# Allegro board RK_EVB7_RK3588_LP4XD200P232SD8_V11_20230111YWQ.brd (continued)
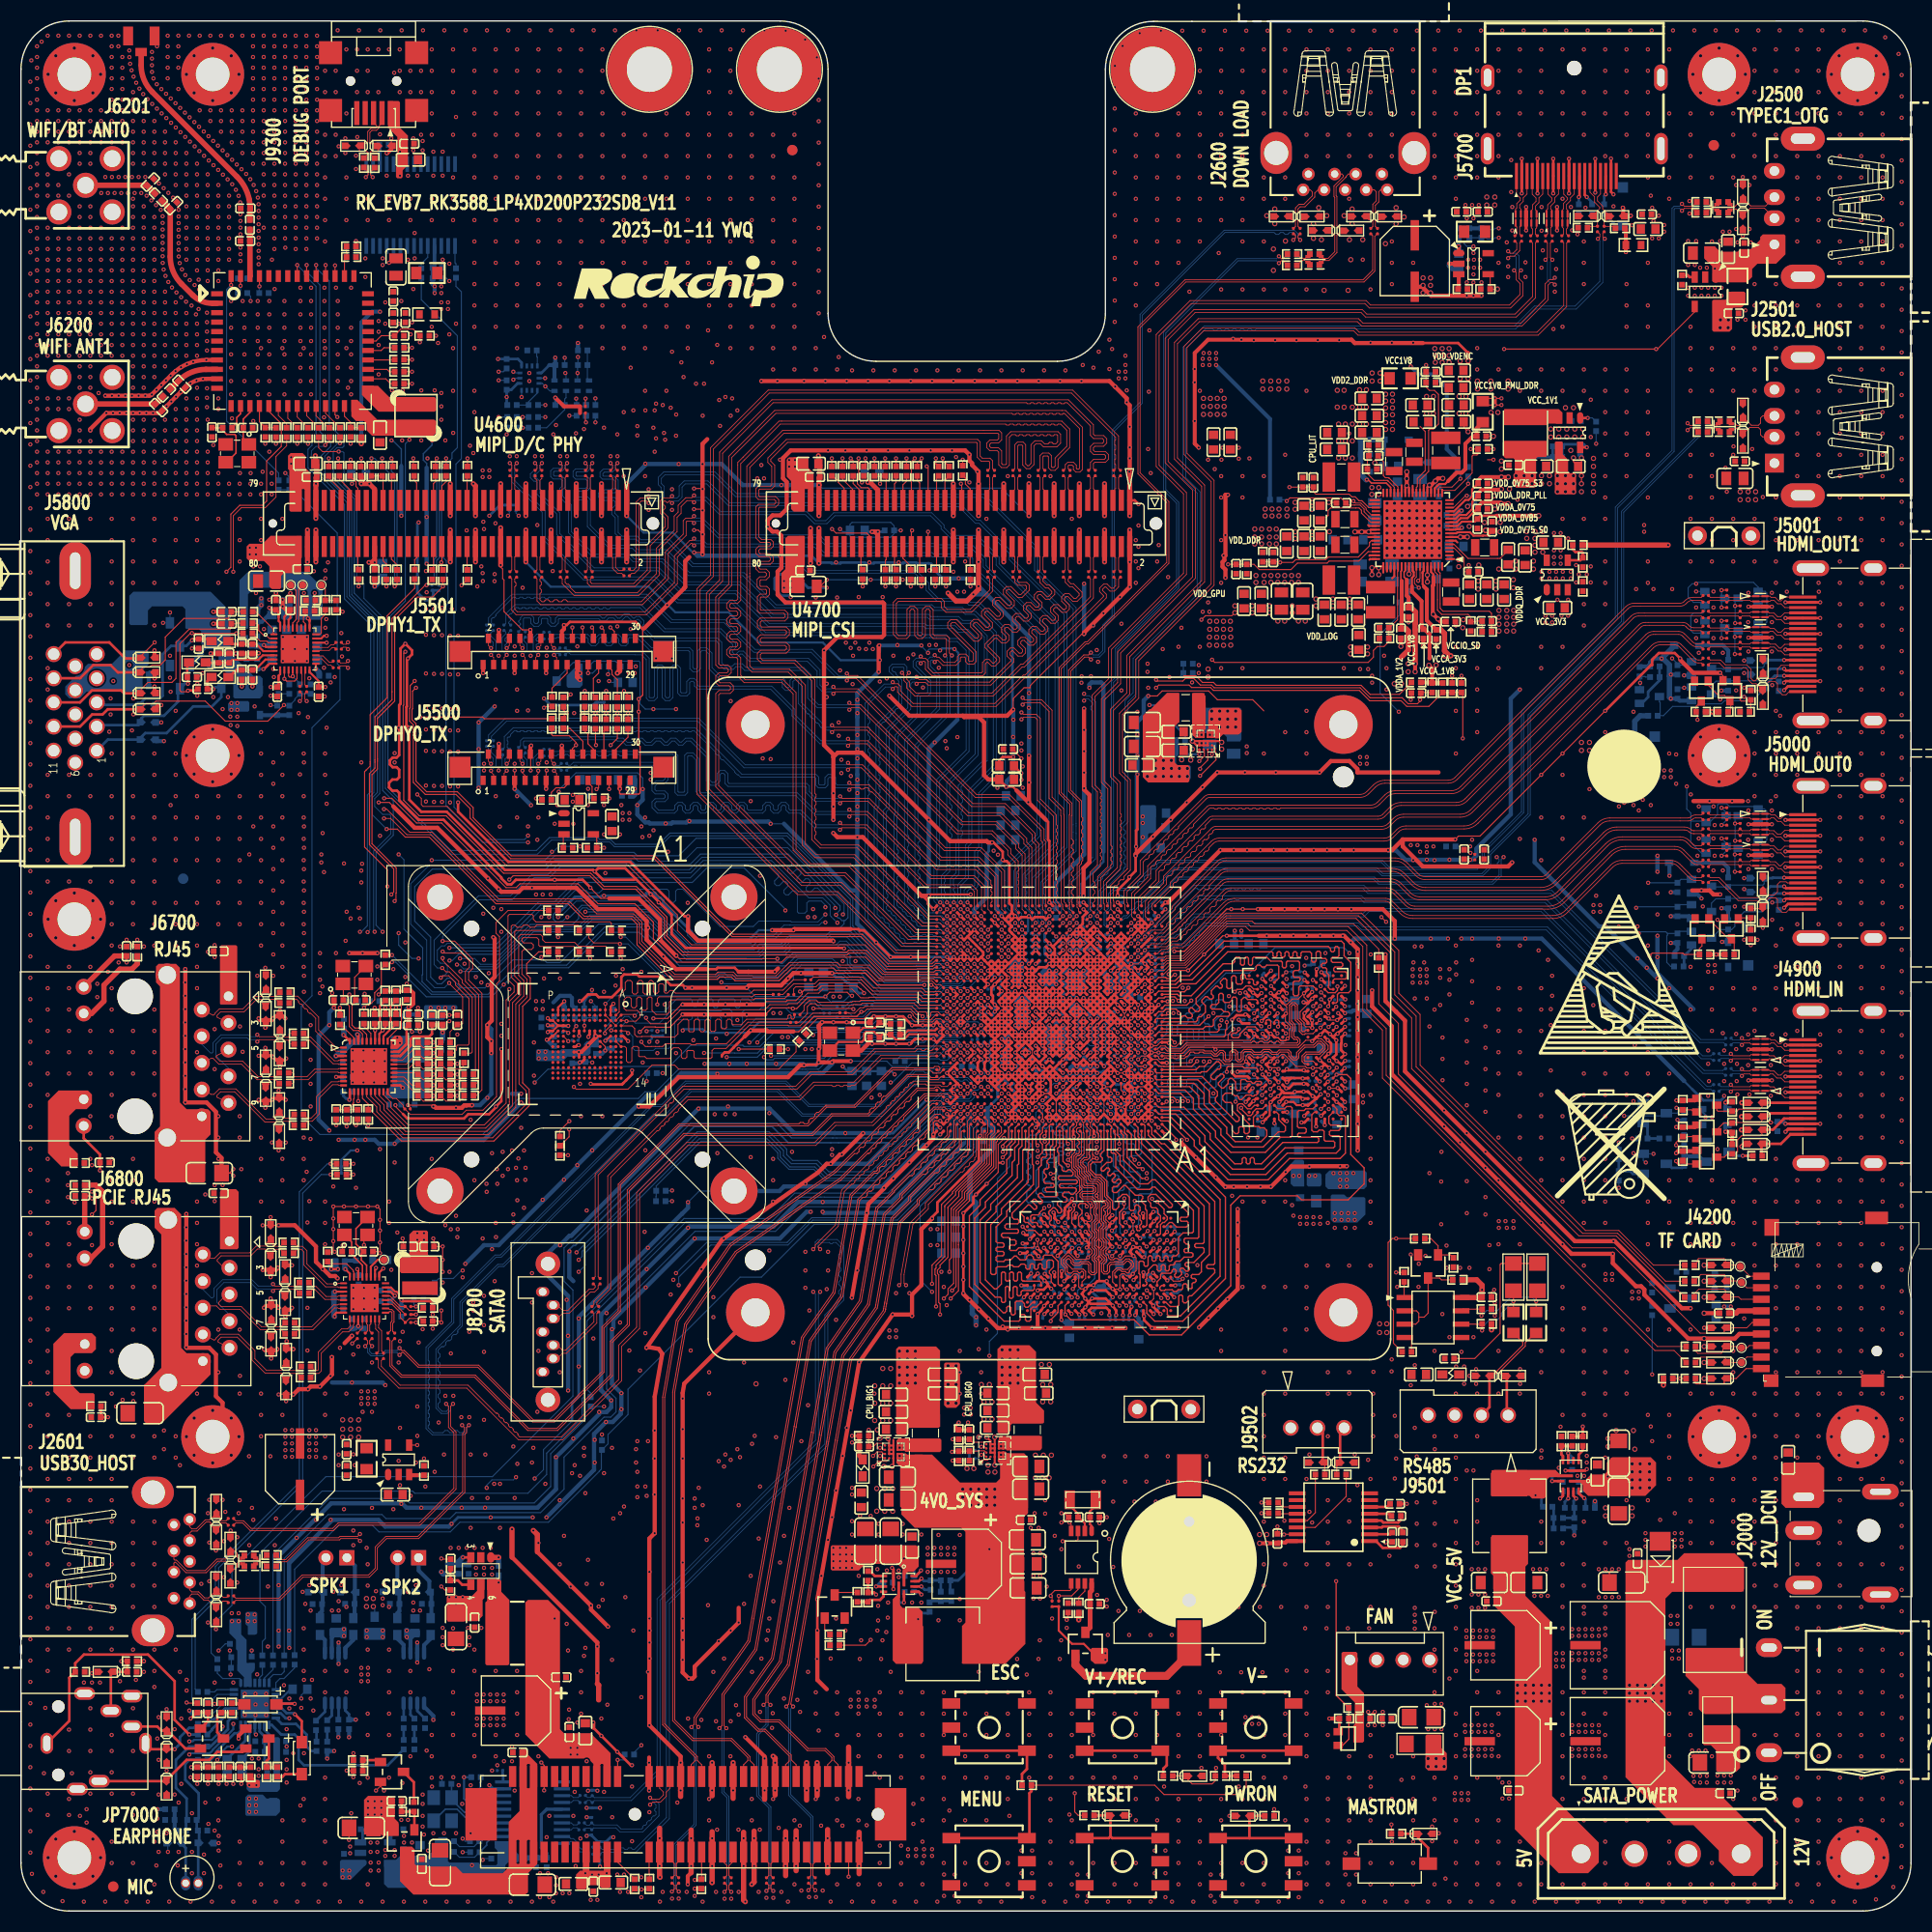
[diagram p0: board, top side]
## Routing (per net, layer and track width the routed paths; a pad name or vN(x,y) marks a point on that pad's centre or on a via; arc(x,y) is an arc through that point) (continued)
  BOTTOM w0.104: R1906.2 39.8,60.24 41.17,60.24 41.94,61 v1(42.06,61)
MODE_SELECT: length 3.1
  TOP w0.254: U2000.6 82.14,29.96 81.81,29.63 80.87,29.63 R2010.2 R2030.1
NPU_VSEL: length 81.9
  TOP w0.089: U1000.U32 v1(88.19,85)
  TOP w0.104: U2303.A1 v1(113.43,110.17)
  L3-POWER1 w0.089: 86.42,86.63 88.04,85 v1(88.19,85)
  L3-POWER1 w0.102: 86.42,86.63 86.39,86.66
  L3-POWER1 w0.104: 86.39,86.66 86.21,86.84 85.41,86.84 83.72,88.53 77.05,88.53 73.77,91.8 73.27,91.8 72.15,92.92 72.15,93.92 71.63,94.44 71.63,101.74 69.88,103.49 69.88,105.32 v1(69.49,105.7)
  L6-S2 w0.104: v1(113.43,110.17) 111.75,111.85 111.38,111.85 110.31,110.78 102.9,110.78 100.86,108.75 98.2,108.75 95.53,106.09 78.95,106.09 78.21,106.83 70.62,106.83 v1(69.49,105.7)
OTG0_REXT: length 0.9
  TOP w0.254: U1000.AP12 v1(101.19,96.05)
  BOTTOM w0.254: R1405.1 101.19,96.06 v1(101.19,96.05)
OTG1_DM: length 5.6
  TOP w0.084: R2511.1 162.58,161.81 L2502.3 162.87,162.09 163.35,162.09 163.97,161.48 ED2504.1 164.69,162.18 166.03,162.18 J2500.2
OTG1_DP: length 5.6
  TOP w0.084: J2500.3 166.15,162.38 164.73,162.38 ED2503.1 163.25,162.35 162.95,162.35 L2502.1 162.58,162.71 R2510.1
OTG1_REXT: length 0.9
  TOP w0.254: U1000.AP7 v1(104.44,96.05)
  BOTTOM w0.254: v1(104.44,96.05) 104.92,96.05 R1406.1
PA_5V: length 8
  L6-S2 w0.104: v1(30.76,26.84) v1(30.76,26.2)
  BOTTOM w0.104: v1(30.76,26.2) 30.29,26.2 C7027.1 30.39,26.84 v1(30.76,26.84)
  BOTTOM w0.381: C7027.1 29.6,26.04 U7001.6 ; v1(36.74,26.09) v1(36.74,26.71) 36.86,26.59 37.39,26.59 C7033.1 37.09,26.04 U7002.6
  vias: v1(32.93,26.71) v1(32.93,26.09) v1(34.45,26.71) v1(34.45,26.09)
PCIE20_1_REFCLKN: length 81.5
  TOP w0.076: R6803.2 34.32,52.42 34.32,51.87 36.11,50.08 42.57,50.08 45.24,47.41 45.3,47.41 45.3,47.41 45.37,47.41 45.53,47.25 45.53,47.19 45.53,47.12 45.69,46.96 45.75,46.96 45.75,46.96 45.82,46.96 45.98,46.8 45.98,46.74 45.98,46.67 46.14,46.51 46.2,46.51 46.2,46.51 46.27,46.51 46.43,46.35 46.43,46.29 46.43,46.22 46.59,46.06 46.65,46.06 46.72,46.06 46.88,45.9 46.88,45.84 46.88,45.84 46.88,45.77 47.04,45.61 47.1,45.61 47.17,45.61 47.33,45.45 47.33,45.39 47.33,45.38 47.33,45.32 47.5,45.15 51.46,45.15 56.92,50.61 56.92,53.89 58.63,55.6 58.63,68.43 63.4,73.19 75.58,73.19 77.48,75.1 81.04,75.1 82.39,76.45 82.39,76.51 82.39,76.51 82.39,76.57 82.56,76.73 82.61,76.73 82.61,76.73 82.67,76.73 82.83,76.89 82.83,76.95 82.83,76.95 82.83,77 82.99,77.16 83.05,77.16 83.05,77.16 83.1,77.16 83.23,77.29 83.23,77.35 83.23,77.35 83.23,77.4 83.39,77.56 83.45,77.56 83.45,77.56 83.5,77.56 83.67,77.73 83.67,77.78 83.67,77.78 83.67,77.84 83.83,78 83.88,78 83.88,78 83.94,78 84.1,78.16 84.1,78.22 84.1,78.22 84.1,78.27 84.26,78.44 84.32,78.44 84.32,78.44 84.38,78.44 84.54,78.6 84.54,78.65 84.54,78.65 84.54,78.71 84.7,78.87 84.76,78.87 84.76,78.87 84.81,78.87 84.97,79.03 86.25,79.03 86.35,78.94 87.75,78.94 U1000.H33
PCIE20_1_REFCLKP: length 81.9
  TOP w0.076: U1000.H32 88.22,78.53 87.66,78.53 87.52,78.66 86.23,78.66 86.14,78.76 85.09,78.76 81.15,74.82 77.6,74.82 75.69,72.91 63.51,72.91 58.91,68.31 58.91,55.48 57.2,53.77 57.2,50.49 51.57,44.87 47.38,44.87 42.45,49.8 35.99,49.8 34.04,51.76 34.04,52.47 R6801.2
PCIE20_1_RXN/SATA30_1_RXN: length 80.9
  TOP w0.091: C6801.2 35.33,54.27 35.33,51.98 36.28,51.03 43.27,51.03 48.34,45.96 51.03,45.96 56.13,51.06 56.13,54.26 57.74,55.86 57.74,68.68 63.12,74.06 75.33,74.06 77.2,75.93 80.67,75.93 80.82,76.08 80.82,76.27 81.02,76.46 81.2,76.46 81.39,76.65 81.39,76.84 81.59,77.03 81.77,77.03 81.96,77.22 81.96,77.4 82.16,77.6 82.34,77.6 84.41,79.67 86.39,79.67 86.69,79.37 87.11,79.37 U1000.J34
PCIE20_1_RXP/SATA30_1_RXP: length 81.6
  TOP w0.091: U1000.J33 87.64,79.48 87.34,79.18 86.61,79.18 86.31,79.48 84.49,79.48 80.75,75.73 77.28,75.73 75.41,73.86 63.2,73.86 57.93,68.6 57.93,55.78 56.33,54.18 56.33,50.98 51.11,45.77 48.26,45.77 43.19,50.84 36.2,50.84 35.14,51.9 35.14,54.34 C6800.2
PCIE20_1_TXN/SATA30_1_TXN: length 83.3
  TOP w0.091: v1(33.44,53.8) 33.21,54.03 33.21,54.31 C6841.2 ; v1(36.05,53.61) 36.28,53.38 36.51,53.38 37.9,51.98 43.59,51.98 48.8,46.77 50.72,46.77 55.33,51.38 55.33,55.62 56.88,57.17 56.88,69.22 62.64,74.98 74.09,74.98 74.21,75.1 74.49,75.1 74.61,74.98 74.89,74.98 75.03,75.11 75.03,75.2 75.03,75.3 75.22,75.49 75.31,75.49 75.31,75.49 75.4,75.49 75.6,75.68 75.6,75.78 75.6,75.87 75.79,76.06 75.88,76.06 75.98,76.06 76.65,76.74 79.37,76.74 82.93,80.3 86.89,80.3 87.02,80.43 87.4,80.43 87.5,80.33 87.5,80.15 87.41,80.06 87.28,80.06 U1000.K34
  BOTTOM w0.091: v1(33.44,53.8) 33.21,53.56 33.21,53.28 33.41,53.07 34.39,53.07 34.7,53.38 35.82,53.38 v1(36.05,53.61)
PCIE20_1_TXP/SATA30_1_TXP: length 83.3
  TOP w0.091: U1000.K33 87.54,79.8 87.16,79.8 87.16,79.8 86.87,79.8 86.57,80.11 83.01,80.11 79.45,76.55 76.73,76.55 74.97,74.78 62.72,74.78 57.08,69.14 57.08,57.09 55.52,55.54 55.52,51.3 50.8,46.57 48.72,46.57 43.51,51.79 37.82,51.79 36.43,53.19 36.28,53.19 v1(36.05,52.96) ; v1(32.78,53.8) 33.01,54.03 33.01,54.31 C6840.2
  BOTTOM w0.091: v1(32.78,53.8) 33.01,53.57 33.01,53.2 33.33,52.88 34.47,52.88 34.78,53.19 35.82,53.19 v1(36.05,52.96)
PCIE20_2_TXN: length 1.5
  TOP w0.091: U6800.14 33.32,55.91 33.21,55.81 33.21,55.24 C6841.1
PCIE20_2_TXP: length 1.5
  TOP w0.091: U6800.13 32.92,55.91 33.02,55.81 33.02,55.25 C6840.1
PCIE30_0_REF: length 0.9
  TOP w0.254: U1000.B34 v1(87.54,74.6)
  BOTTOM w0.089: v1(87.54,74.6) 87.28,74.6 R1801.1
PCIE30_1_REF: length 1
  TOP w0.254: U1000.A33 v1(87.54,73.95)
  BOTTOM w0.089: R1807.1 87.52,73.95 v1(87.54,73.95)
PCIE30_PORT0_REFCLKN_IN: length 93.4
  TOP w0.076: U1000.E34 87.21,76.89 86.78,76.89 84.82,74.93 84.82,74.8 84.66,74.64 84.53,74.64 84.37,74.48 84.37,74.35 84.21,74.19 84.08,74.19 83.92,74.03 83.92,73.9 83.76,73.74 83.63,73.74 83.47,73.58 83.47,73.45 83.31,73.29 83.18,73.29 83.02,73.13 83.02,73 82.86,72.84 82.73,72.84 82.57,72.68 82.57,72.55 82.41,72.39 82.28,72.39 82.12,72.23 82.12,72.1 81.96,71.94 81.83,71.94 81.67,71.78 81.67,71.65 81.5,71.49 81.38,71.49 81.22,71.32 81.22,71.2 81.05,71.04 80.93,71.04 80.77,70.87 80.77,70.75 80.6,70.59 80.48,70.59 80.31,70.42 80.31,70.3 80.15,70.13 80.03,70.13 79.86,69.97 79.86,69.85 79.7,69.68 79.58,69.68 79.41,69.52 79.41,69.39 79.24,69.23 79.12,69.23 78.42,68.52 77.83,65.22 75.92,63.3 75.92,63.22 v1(76.11,63.03)
  BOTTOM w0.076: v1(76.11,63.03) 75.92,63.22 75.92,63.58 76.01,63.67 76.99,63.67 77.11,63.54 77.24,63.54 77.37,63.67 77.62,63.67 78.08,63.21 78.08,62.7 77.88,62.5 77.88,62.27 78.08,62.07 78.08,61.84 77.88,61.64 77.88,61.41 78.08,61.2 78.08,60.97 77.88,60.77 77.88,60.54 78.08,60.34 78.08,60.11 77.88,59.91 77.88,59.68 78.08,59.48 78.08,59.25 77.88,59.04 77.88,58.82 78.08,58.61 78.08,58.3 76.56,56.77 76.56,44.49 61.47,29.4 61.47,8.91 58.43,5.87 58.24,5.87 58.1,6.01 57.88,6.01 57.74,5.87 57.51,5.87 57.37,6.01 57.14,6.01 57,5.87 55.34,5.87 R8107.1 55.11,6.09 R8105.2
PCIE30_PORT0_REFCLKP_IN: length 93.9
  TOP w0.076: U1000.E33 87.58,77.17 86.66,77.17 78.16,68.66 77.57,65.35 75.64,63.42 75.64,63.22 v1(75.45,63.03)
  BOTTOM w0.076: R8104.2 55.07,5.41 R8108.1 55.34,5.59 58.55,5.59 61.75,8.79 61.75,29.28 76.84,44.37 76.84,56.66 78.36,58.18 78.36,63.33 77.74,63.95 75.89,63.95 75.64,63.7 75.64,63.22 v1(75.45,63.03)
PCIE30_PORT0_RX0N: length 80
  TOP w0.091: U1000.G34 87.19,78.16 85.4,78.16 84.77,77.52 84.77,77.29 84.57,77.09 84.34,77.09 84.14,76.9 84.14,76.66 83.95,76.47 83.71,76.47 83.52,76.28 83.52,76.04 83.32,75.85 83.09,75.85 82.9,75.65 82.9,75.42 82.7,75.22 82.47,75.22 82.27,75.03 82.27,74.79 82.08,74.6 81.84,74.6 81.65,74.41 81.65,74.17 81.45,73.98 81.22,73.98 81.03,73.78 81.03,73.55 80.83,73.35 80.6,73.35 80.4,73.16 80.4,72.92 80.21,72.73 79.97,72.73 79.81,72.57 79.81,72.33 79.62,72.14 79.38,72.14 77.59,70.35 67.62,63.37 62.58,56.16 61.31,48.92 61.31,17.81 64.42,14.7 64.42,14.33 64.82,13.93 U8100.A17
PCIE30_PORT0_RX0P: length 79.9
  TOP w0.091: U1000.G33 87.64,78.18 87.34,78.48 87.09,78.48 86.97,78.35 85.32,78.35 79.84,72.87 79.84,72.87 77.47,70.5 67.48,63.51 64.94,59.88 62.4,56.24 61.11,48.93 61.11,17.73 64.22,14.62 64.22,14.33 63.82,13.93 U8100.A16
PCIE30_PORT0_RX1N: length 82.6
  TOP w0.091: U1000.F33 87.76,77.63 86.11,77.63 84.25,75.77 84.07,75.59 84.07,75.45 83.88,75.26 83.74,75.26 83.55,75.06 83.55,74.92 83.35,74.73 83.21,74.73 83.02,74.54 83.02,74.4 82.83,74.2 82.69,74.2 82.49,74.01 82.49,73.87 82.3,73.68 82.16,73.68 81.97,73.48 81.97,73.35 81.77,73.15 81.63,73.15 81.44,72.96 81.44,72.82 81.25,72.63 81.11,72.63 80.97,72.49 80.97,72.35 80.78,72.16 80.71,72.16 80.64,72.16 78.12,69.64 70.64,64.4 68.17,62.67 63.39,55.84 62.26,49.4 62.26,18.2 64.03,16.42 67.69,16.42 69.42,14.7 69.42,14.33 69.82,13.93 U8100.A22
PCIE30_PORT0_RX1P: length 83
  TOP w0.091: U1000.F32 88.22,77.83 86.03,77.83 84.06,75.85 77.99,69.78 73.03,66.31 68.03,62.8 63.21,55.92 62.06,49.41 62.06,18.12 63.95,16.23 67.61,16.23 69.22,14.62 69.22,14.33 68.82,13.93 U8100.A21
PCIE30_PORT0_TX0N: length 85
  TOP w0.091: v1(64.51,17.52) 64.29,17.74 64.29,18.36 69.41,25.68 69.79,27.84 74.51,54.57 77.5,58.84 79.14,68.11 81.3,70.27 81.56,70.27 81.75,70.46 81.75,70.72 81.94,70.91 82.2,70.91 82.39,71.1 82.39,71.36 82.58,71.55 82.84,71.55 83.03,71.74 83.03,72 83.23,72.19 83.48,72.19 83.67,72.39 83.67,72.64 83.87,72.83 84.12,72.83 84.32,73.03 84.32,73.28 84.51,73.48 84.76,73.48 84.96,73.67 84.96,73.92 85.15,74.12 85.4,74.12 85.6,74.31 85.6,74.95 86,75.35 87.02,76.37 87.73,76.37 U1000.D33 ; v1(62.65,1.85) 62.42,2.08 62.42,2.44 C8104.1
  BOTTOM w0.091: v1(62.65,1.85) 62.37,2.13 62.37,6.25 64.29,8.17 64.29,17.29 64.52,17.52 64.52,17.52 v1(64.51,17.52)
PCIE30_PORT0_TX0P: length 85.1
  TOP w0.091: U1000.D32 88.29,76.23 87.96,76.56 86.94,76.56 85.73,75.35 85.41,75.03 85.41,74.64 81.56,70.8 81.56,70.54 81.48,70.46 81.22,70.46 78.96,68.2 77.32,58.92 75.82,56.78 74.33,54.64 69.6,27.9 69.22,25.75 64.09,18.43 64.09,17.76 v1(63.85,17.52) ; C8103.1 62.22,2.44 62.22,2.08 v1(61.99,1.85)
  BOTTOM w0.091: v1(63.85,17.52) 63.86,17.52 64.09,17.29 64.09,8.25 62.18,6.33 62.18,2.04 v1(61.99,1.85)
PCIE30_PORT0_TX1N: length 82.4
  TOP w0.091: U1000.C34 87.19,75.61 87.02,75.61 86.77,75.35 86.56,75.15 86.56,74.37 86.14,73.94 86.14,73.83 86.14,73.71 85.95,73.52 85.71,73.52 85.52,73.32 85.52,73.21 85.52,73.09 85.32,72.9 85.09,72.9 84.9,72.7 84.9,72.58 84.9,72.47 84.7,72.27 84.47,72.27 84.28,72.08 84.28,71.96 84.28,71.85 84.08,71.65 83.85,71.65 83.66,71.46 83.66,71.34 83.66,71.23 83.46,71.03 83.23,71.03 83.04,70.84 83.04,70.72 83.04,70.6 82.84,70.41 82.61,70.41 82.41,70.22 82.41,70.1 82.42,69.98 82.22,69.79 81.99,69.79 81.79,69.59 81.79,69.48 81.79,69.36 81.6,69.17 81.37,69.17 81.17,68.97 81.17,68.86 81.17,68.74 80.98,68.55 80.86,68.55 80.74,68.55 80.59,68.39 80.59,68.27 80.59,68.16 80.39,67.96 80.16,67.96 79.88,67.68 78.27,58.55 75.26,54.26 73.83,46.14 73.83,46.07 73.81,46.06 70.55,27.58 70.54,27.56 70.07,24.87 68.7,22.92 66.95,20.58 66.95,17.63 v1(67.18,17.41) ; C8108.1 67.42,2.44 67.42,2.05 v1(67.65,1.82)
  BOTTOM w0.091: v1(67.65,1.82) 67.42,2.05 67.42,10.88 66.94,11.35 66.94,17.18 v1(67.18,17.41)
PCIE30_PORT0_TX1P: length 82.1
  TOP w0.091: U1000.C33 87.57,75.88 87.02,75.88 86.49,75.35 86.37,75.23 86.37,74.45 80.61,68.68 79.7,67.77 78.08,58.62 75.08,54.33 73.63,46.15 72.34,38.82 70.36,27.61 69.89,24.95 68.54,23.03 66.76,20.64 66.76,17.65 v1(66.52,17.41) ; v1(66.99,1.82) 67.22,2.05 67.22,2.44 C8107.1
  BOTTOM w0.091: v1(66.99,1.82) 67.22,2.05 67.22,10.8 66.75,11.27 66.75,17.18 v1(66.52,17.41)
PCIE30_PORT1_REFCLKN_IN: length 88.6
  TOP w0.076: v1(83.63,59.6) 83.82,59.79 83.82,60.64 84.68,65.53 86.13,66.98 86.13,67.42 90.68,71.96 90.68,74.49 U1000.B28
  L6-S2 w0.076: v1(83.63,59.6) 83.79,59.77 83.79,60.04 83.59,60.24 80.5,60.24 80.17,59.91 79.41,59.91 77.63,58.13 75.89,58.13 75.62,58.4 75.62,58.81 v1(75.45,58.97)
  BOTTOM w0.076: R8123.2 53.95,10.81 54.23,10.81 R8125.1 54.6,10.8 58.01,10.8 60.58,13.36 60.58,29.73 75.67,44.82 75.67,58.76 v1(75.45,58.97)
PCIE30_PORT1_REFCLKP_IN: length 88.6
  TOP w0.076: v1(84.29,59.6) 84.1,59.79 84.1,60.62 84.94,65.4 86.41,66.87 86.41,67.3 89.49,70.38 89.67,70.38 89.83,70.54 89.83,70.72 89.99,70.88 90.17,70.88 90.33,71.04 90.33,71.22 90.49,71.38 90.67,71.38 90.83,71.54 90.83,71.72 90.96,71.85 90.96,74.12 U1000.A28
  L6-S2 w0.076: v1(84.29,59.6) 84.12,59.77 84.12,60.17 83.73,60.57 80.37,60.57 80.04,60.24 79.27,60.24 77.5,58.46 76.02,58.46 75.95,58.54 75.95,58.81 v1(76.11,58.97)
  BOTTOM w0.076: v1(76.11,58.97) 75.95,58.81 75.95,44.71 60.86,29.62 60.86,13.25 58.13,10.52 54.6,10.52 R8126.1 54.2,10.53 53.95,10.53 R8122.2
PCIE30_PORT1_RX2N: length 70
  TOP w0.091: U1000.A32 88.5,74.28 88.41,74.19 88.41,73.82 88.28,73.69 88.28,73.43 88.08,73.24 87.83,73.24 87.63,73.04 87.63,72.79 87.44,72.59 87.18,72.59 86.99,72.4 86.99,72.15 86.8,71.95 86.54,71.95 86.35,71.76 86.35,71.5 86.15,71.31 85.9,71.31 85.71,71.12 85.71,70.86 85.51,70.67 85.26,70.67 85.06,70.47 85.06,70.22 84.87,70.02 84.74,70.02 84.61,70.02 83.18,68.59 83.18,68.46 81.59,66.87 81.54,66.62 81.54,66.59 80.91,63.03 80.22,59.1 80.03,58.05 76.87,53.53 75.46,45.55 75.46,45.55 71.66,24.01 69.1,20.36 69.1,18.47 70.26,17.31 70.89,17.31 73.36,14.85 73.36,14.39 73.82,13.93 U8100.A26
PCIE30_PORT1_RX2P: length 69.7
  TOP w0.091: U1000.B32 88.22,74.63 88.22,73.9 82.98,68.67 82.98,68.54 81.41,66.96 81.35,66.65 81.35,66.62 80.72,63.06 80.03,59.16 79.85,58.12 76.69,53.61 75.27,45.61 75.27,45.59 71.47,24.09 68.9,20.42 68.9,18.39 70.18,17.12 70.81,17.12 73.16,14.77 73.16,14.27 72.82,13.93 U8100.A25
PCIE30_PORT1_RX3N: length 73.4
  TOP w0.091: U1000.B31 89.14,74.93 89.05,74.84 89.05,73.32 88.91,73.18 88.91,72.92 88.71,72.73 88.46,72.73 88.27,72.53 88.27,72.28 88.07,72.09 87.82,72.09 87.62,71.89 87.62,71.64 87.43,71.44 87.18,71.44 86.98,71.25 86.98,71 86.79,70.8 86.54,70.8 86.34,70.61 86.34,70.35 86.15,70.16 85.89,70.16 83.91,68.18 83.91,67.88 82.31,66.28 80.8,57.73 77.61,53.17 76.22,45.3 72.41,23.7 71.15,21.91 69.89,20.11 69.89,18.8 70.49,18.2 72.24,18.2 74.97,15.47 76.65,15.47 77.42,14.7 77.42,14.33 77.82,13.93 U8100.A30
PCIE30_PORT1_RX3P: length 73.4
  TOP w0.091: U1000.C31 88.86,75.27 88.86,73.4 83.72,68.26 83.72,67.96 82.13,66.37 80.62,57.8 77.43,53.25 76.03,45.36 76.03,45.36 72.22,23.78 69.7,20.17 69.7,18.72 70.41,18.01 72.16,18.01 74.89,15.28 76.57,15.28 77.22,14.62 77.22,14.33 76.82,13.93 U8100.A29
PCIE30_PORT1_TX2N: length 80.2
  TOP w0.091: U1000.A30 89.78,74.31 89.65,74.31 89.56,74.22 89.56,72.81 89.42,72.67 89.42,72.55 89.42,72.42 89.23,72.23 89.1,72.23 88.98,72.23 88.78,72.03 88.78,71.91 88.78,71.78 88.59,71.58 88.46,71.58 88.33,71.59 88.14,71.39 88.14,71.26 88.14,71.14 87.95,70.94 87.82,70.94 87.69,70.94 87.5,70.75 87.5,70.62 87.5,70.5 87.3,70.3 87.18,70.3 87.05,70.3 84.73,67.99 84.73,67.58 83.04,65.89 81.6,57.69 81.55,57.41 78.36,52.86 76.98,45.05 76.98,45.05 76.92,44.7 73.16,23.39 72.15,21.95 71.15,20.51 71.15,19.86 v1(71.38,19.63) ; C8110.1 71.42,2.44 71.42,2.14 v1(71.65,1.91)
  BOTTOM w0.091: v1(71.65,1.91) 71.42,2.14 71.42,9.9 70.26,11.05 70.26,16.81 71.15,17.69 71.15,19.4 v1(71.38,19.63)
PCIE30_PORT1_TX2P: length 80.2
  TOP w0.091: C8109.1 71.22,2.44 71.22,2.14 v1(70.99,1.91) ; U1000.B30 89.37,74.48 89.37,72.89 84.54,68.07 84.54,67.66 82.87,65.99 81.41,57.71 81.4,57.7 81.37,57.49 78.18,52.94 76.79,45.11 76.73,44.73 72.98,23.46 70.95,20.57 70.95,19.86 v1(70.72,19.63)
  BOTTOM w0.091: v1(70.99,1.91) 71.22,2.14 71.22,9.82 70.07,10.97 70.07,16.89 70.95,17.77 70.95,19.4 v1(70.72,19.63)
PCIE30_PORT1_TX3N: length 80.3
  TOP w0.091: v1(73.53,19.47) 73.33,19.67 73.32,19.75 77.74,44.8 77.74,44.8 78.43,48.69 79.11,52.55 82.3,57.1 82.34,57.31 82.34,57.32 82.38,57.55 82.42,57.8 82.44,57.87 82.44,57.87 83.79,65.51 85.54,67.27 85.54,67.65 86.59,68.69 86.71,68.69 86.84,68.69 87.03,68.89 87.03,69.02 87.03,69.14 87.17,69.28 87.3,69.28 87.42,69.28 87.62,69.47 87.62,69.6 87.62,69.73 87.81,69.92 87.94,69.92 88.07,69.92 88.26,70.11 88.26,70.24 88.26,70.37 88.45,70.56 88.58,70.56 88.71,70.56 88.9,70.76 88.9,70.88 88.9,71.01 89.1,71.2 89.22,71.2 89.35,71.2 89.54,71.4 89.54,71.52 89.54,71.65 89.74,71.85 89.86,71.85 89.99,71.85 90.19,72.04 90.18,72.17 90.18,72.29 90.32,72.43 90.32,74.78 U1000.B29 ; C8112.1 75.42,2.44 75.42,2.21 v1(75.65,1.98)
  BOTTOM w0.091: v1(73.53,19.47) 73.3,19.24 73.3,11.09 75.42,8.98 75.42,2.21 v1(75.65,1.98)
PCIE30_PORT1_TX3P: length 80.1
  TOP w0.091: C8111.1 75.22,2.44 75.22,2.21 v1(74.99,1.98) ; v1(72.88,19.47) 73.11,19.7 73.12,19.7 77.55,44.86 78.93,52.63 82.12,57.18 82.15,57.38 82.15,57.38 82.19,57.59 82.23,57.83 82.23,57.84 82.26,57.97 82.26,57.98 83.61,65.61 85.35,67.35 85.35,67.73 90.13,72.51 90.13,75.24 U1000.C29
  BOTTOM w0.091: v1(74.99,1.98) 75.22,2.21 75.22,8.9 73.11,11.01 73.11,19.24 v1(72.88,19.47)
PCIE30_REFCLKN_SLOT: length 13.7
  TOP w0.076: U8100.A14 61.82,11.69 61.46,11.33 61.46,10.93 60.9,10.37 60.16,10.37 v1(59.92,10.13)
  BOTTOM w0.076: R8116.2 53.87,8.17 54.12,8.17 R8117.1 54.56,8.19 56.77,8.19 57.15,7.81 59.11,7.81 59.21,7.91 59.21,8.04 59.33,8.17 59.46,8.17 59.61,8.31 59.61,8.44 59.77,8.6 59.9,8.6 60.06,8.76 60.06,8.89 60.22,9.05 60.35,9.05 60.48,9.18 60.48,9.44 60.35,9.57 60.35,9.69 60.48,9.82 60.48,10.11 60.27,10.31 60.1,10.31 v1(59.92,10.13)
PCIE30_REFCLKP_SLOT: length 13.7
  TOP w0.076: v1(59.92,10.78) 60.05,10.65 60.78,10.65 61.18,11.04 61.18,11.33 60.82,11.69 U8100.A13
  BOTTOM w0.076: R8111.2 53.79,7.89 54.2,7.89 R8114.1 54.54,7.91 56.65,7.91 57.03,7.53 59.22,7.53 60.76,9.07 60.76,10.22 60.38,10.59 60.1,10.59 v1(59.92,10.78)
PCIE30X4_CLKREQN_3V3: length 2.6
  TOP w0.104: R8102.2 59.84,3.46 59.82,3.48 U8100.B12
PCIE30X4_CLKREQN_M1_L: length 145.5
  TOP w0.089: U1000.AL26 v1(92.09,93.45)
  TOP w0.104: v1(59.1,2.05) 59.77,2.05 R8102.1
  L3-POWER1 w0.104: v1(59.1,2.05) 58.97,2.05 58.7,2.33 58.7,4.23 57.41,5.52 57.41,12.87 57.66,13.12 57.66,24.17 50.19,31.64 50.19,35.35 49.56,35.98 49.56,44.87 47.65,46.78 47.65,62.33 50.72,65.39 50.72,72.45 50.85,72.57 50.85,82.27 50.78,82.34 50.78,90.5 50.69,90.59 50.69,94.25 v1(50.29,94.66)
  L6-S2 w0.089: 86.46,93.36 87.68,93.36 87.91,93.13 90.01,93.13 90.66,92.48 92.23,92.48 92.42,92.67 92.42,93.13 v1(92.09,93.45)
  L6-S2 w0.102: 86.39,93.36 86.46,93.36
  L6-S2 w0.104: v1(50.29,94.66) 50.75,94.2 52.14,94.2 52.22,94.28 60.6,94.28 62.26,92.62 63.45,92.62 63.92,92.16 65.8,92.16 66.16,92.52 75.54,92.52 76.18,93.16 76.52,93.16 76.76,93.16 76.96,93.36 86.39,93.36
PCIE30X4_PERSTN_3V3: length 2.7
  TOP w0.104: U8100.A11 v1(56.82,14.39)
  BOTTOM w0.104: R8101.1 57.49,14.47 57.41,14.39 v1(56.82,14.39)
PCIE30X4_PERSTN_M1_L: length 131.3
  TOP w0.089: U1000.AJ27 91.77,92.48 v1(91.44,92.8)
  L3-POWER1 w0.104: v1(59.08,15.79) 58.83,15.79 57.94,16.68 57.94,24.41 53.11,29.24 53.11,40.55 54,41.44 54,50.66 58.49,55.15 58.49,63.14 59.77,64.43 59.77,69.54 60.1,69.87 60.1,76.46 63.36,79.72 63.36,82.5 62.64,83.23 62.64,87.13 61.92,87.84 61.92,91.76 61.41,92.27 61.41,92.85 60.9,93.36 60.9,94.43 61.41,94.94 61.41,100.67 v1(61.62,100.88)
  L6-S2 w0.089: v1(91.44,92.8) 91.12,93.13 91.12,94.34 91.03,94.43 90.66,94.43 90.47,94.62 90.47,94.89 90.83,95.25 90.83,96.28
  L6-S2 w0.104: v1(61.62,100.88) 61.77,101.03 62,101.03 62.61,101.64 74.32,101.64 76.74,99.23 88.58,99.23 90.83,96.97 90.83,96.66 90.83,96.66 90.83,96.28
  BOTTOM w0.104: R8101.2 58.39,15.1 v1(59.08,15.79)
PCIE30X4_PRSNT_L: length 253.9
  TOP w0.089: v1(92.74,94.75) U1000.AM25
  TOP w0.104: v1(64.16,2.96) 64.73,2.96 R8103.2 64.82,3.06 U8100.B17 ; U8100.B31 v1(78.82,3.27)
  L3-POWER1 w0.104: v1(149.38,106.85) 148.23,105.7 148.23,95.93 147.22,94.91 147.22,49.19 135.66,37.63 135.66,23.15 133.38,20.87 133.38,10.58 135.66,8.3 v1(135.66,3.09)
  L6-S2 w0.089: 92.75,96.28 92.75,96.19 92.74,96.18 v1(92.74,94.75)
  L6-S2 w0.104: v1(149.38,106.85) 149.1,106.57 129.92,106.57 129.1,105.75 112.23,105.75 111.5,106.47 105.06,106.47 104.31,105.72 99.35,105.72 94.38,100.74 94.38,98.04 92.75,96.41 92.75,96.28 ; v1(135.66,3.09) 79,3.09 v1(78.82,3.27) 64.47,3.27 v1(64.16,2.96)
PCIE30X4_WAKEN_3V3: length 3.3
  TOP w0.104: R8100.2 56.82,4.66 U8100.B11
PCIE30X4_WAKEN_M1_L: length 145.9
  TOP w0.089: U1000.AJ26 92.42,92.48 v1(92.09,92.15)
  TOP w0.104: v1(57.81,1.82) 58.13,1.82 R8100.1
  L3-POWER1 w0.104: v1(49.56,94.66) 50.46,93.75 50.46,90.68 50.46,90.49 50.55,90.41 50.55,82.24 50.62,82.17 50.62,72.67 50.49,72.54 50.49,65.49 47.42,62.42 47.42,46.66 49.3,44.78 49.3,35.85 49.81,35.35 49.81,31.69 57.43,24.07 57.43,13.25 57.18,12.99 57.18,5.37 58.47,4.08 58.47,2.35 57.94,1.82 v1(57.81,1.82)
  L6-S2 w0.089: v1(92.09,92.15) 91.67,91.73 91.08,91.73 90.34,92.48 87.55,92.48 86.89,93.13
  L6-S2 w0.104: 86.89,93.13 77.05,93.13 76.85,92.93 76.28,92.93 75.64,92.29 66.26,92.29 65.89,91.93 63.82,91.93 63.38,92.37 62.11,92.37 60.46,94.02 52.6,94.02 52.55,93.97 50.24,93.97 v1(49.56,94.66)
PCIE_2_RXN: length 3.1
  TOP w0.091: U6800.18 35.01,57.38 35.11,57.28 35.32,57.28 35.52,57.08 35.52,56.09 35.4,55.96 35.4,55.22 C6801.1
PCIE_2_RXP: length 2.8
  TOP w0.091: C6800.1 35.2,55.28 35.2,56.04 35.33,56.17 35.33,57 35.24,57.09 35.1,57.09 35,56.98 U6800.17
PCIE_PWREN_H: length 156.7
  TOP w0.089: U1000.AE30 v1(89.49,90.2)
  TOP w0.104: R8134.1 v1(31.66,15.03) ; v1(40.03,30.9) 40.35,30.58 R8119.1
  L3-POWER1 w0.104: v1(31.45,9.31) 31.27,9.49 31.27,13.1 31.39,13.22 31.39,14.76 v1(31.66,15.03) ; v1(38.63,15.28) 39.78,16.42 39.78,30.65 v1(40.03,30.9) 39.5,31.43 39.5,38.67 36.98,41.19 36.98,48.3 38.89,50.21 38.89,54.6 39.59,55.3 39.59,56.97 39.37,57.19 39.05,57.19 38.89,57.36 38.89,61.64 36.96,63.56 36.96,64.53 35.71,65.77 35.71,67.99 35.2,68.49 35.2,82.08 34.82,82.46 34.82,83.23 35.33,83.73 35.33,89.58 v1(35.46,89.7)
  L6-S2 w0.089: 86.46,91.42 86.82,91.42 87.72,90.53 89.17,90.53 v1(89.49,90.2)
  L6-S2 w0.104: v1(31.66,15.03) 31.7,15.03 31.95,15.28 v1(38.63,15.28) ; 86.46,91.42 81.49,91.42 80.54,92.37 78.23,92.37 77.62,91.76 76.3,91.76 75.99,91.44 66.61,91.44 66.24,91.08 63.42,91.08 63.02,91.48 60.28,91.48 58.55,93.21 50.9,93.21 48.67,90.97 43.84,90.97 43.78,90.91 43.77,90.91 43.59,90.72 43.59,90.47 42.44,89.32 42.44,88.43 41.56,87.55 39.21,87.55 37.06,89.7 v1(35.46,89.7)
  BOTTOM w0.104: R8106.1 v1(31.45,9.31)
PCIEX1_0_CLKREQN_M1_L: length 95.5
  TOP w0.089: v1(93.39,77.2) U1000.E25
  TOP w0.104: v1(31.54,54.05) 31.56,54.05 R6807.2
  L6-S2 w0.104: v1(31.54,54.05) 32.14,54.65 41.55,54.65 44.75,57.85 45.84,57.85 47.63,59.63 51.81,59.63 54.03,57.41 62.98,57.41 64.74,59.17 70.54,59.17 71.33,59.17 75.03,55.46 78.81,55.46 80.8,57.45 86.29,57.45 90.74,53 92.1,53 v1(92.23,52.87)
  BOTTOM w0.089: 94.13,73.47 94.13,74.56 93.72,74.97 93.72,75.19 93.72,75.19 93.72,75.39 93.72,76.88 v1(93.39,77.2)
  BOTTOM w0.104: v1(92.23,52.87) 92.23,54.24 92.99,55 92.99,69.74 94.13,70.88 94.13,73.47
PCIEX1_0_PERSTN_M1_L: length 78.2
  TOP w0.089: U1000.E24 v1(94.04,76.55)
  TOP w0.104: R6805.2 v1(37.62,56.05)
  L3-POWER1 w0.104: v1(35.84,64.62) 35.84,63.79 38.25,61.38 38.25,56.68 v1(37.62,56.05)
  L6-S2 w0.089: v1(94.04,76.55) 93.72,76.23 93.26,76.23 93.07,76.04 93.07,75.05 92.48,74.46 92.48,73.82 92.13,73.47
  L6-S2 w0.104: 92.13,73.47 83.54,64.88 74.19,64.88 73.32,64 68.2,64 67.4,63.2 61.54,63.2 60.44,64.3 59.05,64.3 57.76,65.6 48.54,65.6 47.29,66.84 45.87,66.84 44.6,65.57 40.94,65.57 40.67,65.85 37.62,65.85 36.39,64.62 v1(35.84,64.62)
PCIEX1_0_WAKEN_M1_L: length 1.2
  TOP w0.104: R6806.2 v1(37.62,57.57)
  BOTTOM w0.104: R1905.2 37.42,57.77 v1(37.62,57.57)
PCIEX1_0_WAKEN_M1_L/GPIO1_B3: length 78.7
  TOP w0.089: v1(91.44,75.9) 91.77,76.23 U1000.D27
  L6-S2 w0.104: v1(39.78,58.21) 41.72,58.21 46.53,63.02 50.75,63.02 51.97,61.8 51.97,60.77 54.64,58.1 62.44,58.1 64.19,59.86 70.84,59.86 71.22,59.86 74.85,63.49 82.76,63.49 86.39,59.86 86.39,59.35 v1(86.77,58.97)
  BOTTOM w0.089: 91.05,73.47 91.05,73.59 91.01,73.62 91.01,74.9 91.12,75 91.12,75.58 v1(91.44,75.9)
  BOTTOM w0.104: R1906.1 39.78,58.56 v1(39.78,58.21) R1905.1 ; v1(86.77,58.97) 85.62,60.11 85.62,67.1 91.05,72.52 91.05,73.12 91.05,73.47
PCM_CLK_BT: length 2.7
  TOP w0.104: R6222.2 34.57,148.88 34.3,148.62 U6200.30
PCM_IN_BT: length 2.6
  TOP w0.104: R6220.2 35.08,146.6 34.86,146.82 U6200.28
PCM_OUT_BT: length 2.6
  TOP w0.104: U6200.29 35.56,147.72 R6221.2
PCM_SYNC_BT: length 2.7
  TOP w0.104: U6200.27 34.74,145.92 35.2,145.46 R6219.2
PERSTB: length 4.9
  TOP w0.104: U6800.19 35.34,57.78 36.13,56.99 36.13,56.52 R6805.1 36.99,56.43 38.06,56.43 C6804.1
PETN0: length 2.7
  TOP w0.091: U8100.B15 62.82,4.92 62.42,4.52 62.42,3.38 C8104.2
PETN1: length 2.7
  TOP w0.091: C8108.2 67.42,3.38 67.42,4.31 67.82,4.72 U8100.B20
PETP0: length 2.7
  TOP w0.091: C8103.2 62.22,3.38 62.22,4.52 61.82,4.92 U8100.B14
PETP1: length 2.7
  TOP w0.091: C8107.2 67.22,3.38 67.22,4.34 66.82,4.75 U8100.B19
PHONE_CTL: length 165.6
  TOP w0.089: v1(91.44,94.75) U1000.AM27
  TOP w0.104: v1(15.77,19.85) 15.83,19.79 R7023.2
  L3-POWER1 w0.104: v1(15.77,19.85) 17.19,21.27 17.19,24.55 18.59,25.95 21.92,25.95 25.3,29.32 25.3,40.68 21.74,44.24 v1(21.74,100.62)
  L6-S2 w0.089: 91.44,96.28 v1(91.44,94.75)
  L6-S2 w0.104: v1(21.74,100.62) 27.58,100.62 28.35,101.39 29.74,101.39 30,101.13 49.94,101.13 50.7,101.9 60.1,101.9 60.63,102.42 75.06,102.42 77.11,100.37 89.47,100.37 91.44,98.39 91.44,96.28
